# KiCad board Leopold Replacement.kicad_pcb (continued)
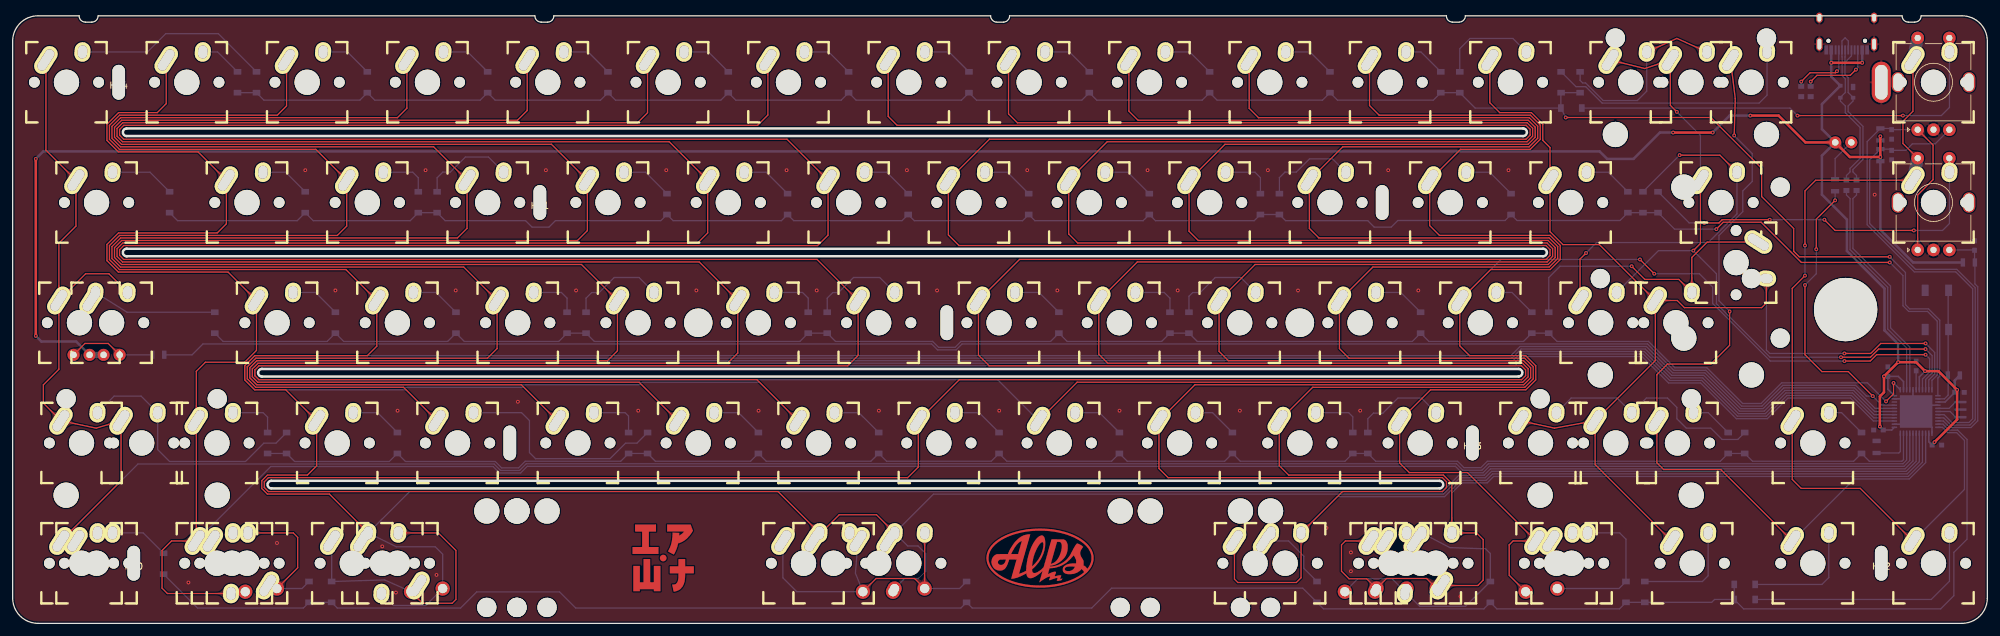
[diagram p0: board, top side]
## Copper pours and planes (outline as drawn; the poured copper is in the pictures) (continued)
Col12 on Top: 240.58,31.61 240.47,31.63 240.38,31.66 240.29,31.69 240.21,31.72 240.13,31.75 240.06,31.79 240,31.82 239.94,31.86 239.89,31.9 239.83,31.94 239.79,31.99 239.74,32.03 239.7,32.08 239.66,32.13 239.35,32.55 239.31,32.61 239.26,32.66 239.21,32.72 239.16,32.78 239.1,32.84 239.03,32.9 238.97,32.96 238.89,33.02 237.51,32.17 238.42,30.82 238.51,30.85 238.6,30.87 238.68,30.9 238.76,30.93 238.83,30.96 238.9,30.99 238.97,31.03 239.03,31.06 239.49,31.32 239.54,31.35 239.6,31.37 239.66,31.39 239.72,31.41 239.78,31.43 239.85,31.45 239.92,31.46 239.99,31.46 240.07,31.47 240.15,31.46 240.24,31.46 240.33,31.45 240.43,31.43 240.54,31.41
Col12 on Top: 247.57,31.49 247.68,31.51 247.78,31.52 247.87,31.53 247.96,31.53 248.04,31.53 248.12,31.52 248.19,31.51 248.26,31.5 248.32,31.48 248.39,31.47 248.45,31.44 248.51,31.42 248.56,31.39 248.62,31.36 249.06,31.09 249.13,31.05 249.19,31.02 249.26,30.98 249.33,30.95 249.41,30.92 249.49,30.89 249.58,30.86 249.67,30.83 250.62,32.15 249.27,33.04 249.19,32.99 249.12,32.93 249.05,32.87 248.99,32.81 248.94,32.76 248.89,32.7 248.84,32.64 248.79,32.59 248.47,32.18 248.43,32.13 248.38,32.08 248.34,32.04 248.29,32 248.24,31.96 248.18,31.92 248.12,31.88 248.06,31.85 247.99,31.82 247.91,31.79 247.83,31.76 247.74,31.73 247.64,31.71 247.54,31.69
Col12 on Top: 242.97,67.57 242.98,67.67 242.98,67.77 242.99,67.86 243.01,67.95 243.02,68.03 243.04,68.11 243.06,68.18 243.09,68.24 243.12,68.3 243.15,68.36 243.18,68.42 243.21,68.47 243.25,68.52 243.29,68.57 243.64,68.96 243.68,69.02 243.73,69.08 243.78,69.14 243.82,69.2 243.87,69.27 243.91,69.35 243.96,69.43 244,69.51 242.88,70.68 241.75,69.51 241.79,69.43 241.84,69.35 241.88,69.27 241.93,69.2 241.97,69.14 242.02,69.08 242.07,69.02 242.11,68.96 242.46,68.57 242.5,68.52 242.54,68.47 242.57,68.42 242.6,68.36 242.63,68.3 242.66,68.24 242.69,68.18 242.71,68.11 242.73,68.03 242.74,67.95 242.76,67.86 242.77,67.77 242.77,67.67 242.78,67.57
Col12 on Top: 257.68,52.74 257.75,52.66 257.82,52.58 257.88,52.51 257.93,52.44 257.97,52.37 258.01,52.31 258.05,52.24 258.08,52.18 258.1,52.11 258.12,52.05 258.14,51.99 258.15,51.93 258.16,51.86 258.17,51.8 258.2,51.28 258.2,51.21 258.21,51.13 258.22,51.06 258.24,50.98 258.25,50.9 258.27,50.81 258.3,50.73 258.33,50.64 259.95,50.6 259.92,52.23 259.83,52.26 259.74,52.28 259.66,52.3 259.58,52.32 259.5,52.33 259.42,52.34 259.35,52.35 259.27,52.36 258.75,52.39 258.69,52.39 258.63,52.4 258.57,52.42 258.5,52.43 258.44,52.45 258.38,52.48 258.31,52.51 258.25,52.54 258.18,52.58 258.11,52.63 258.04,52.68 257.97,52.74 257.9,52.8 257.82,52.88
Col12 on Top: 242.78,72.55 242.77,72.44 242.77,72.34 242.76,72.25 242.74,72.16 242.73,72.08 242.71,72.01 242.69,71.94 242.66,71.87 242.63,71.81 242.6,71.75 242.57,71.69 242.54,71.64 242.5,71.59 242.46,71.54 242.11,71.15 242.07,71.09 242.02,71.04 241.97,70.97 241.93,70.91 241.88,70.84 241.84,70.76 241.79,70.69 241.75,70.6 242.88,69.43 244,70.6 243.96,70.69 243.91,70.76 243.87,70.84 243.82,70.91 243.78,70.97 243.73,71.04 243.68,71.09 243.64,71.15 243.29,71.54 243.25,71.59 243.21,71.64 243.18,71.69 243.15,71.75 243.12,71.81 243.09,71.87 243.06,71.94 243.04,72.01 243.02,72.08 243.01,72.16 242.99,72.25 242.98,72.34 242.98,72.44 242.97,72.55
Col12 on Top: 233.47,86.58 233.47,86.68 233.48,86.78 233.49,86.87 233.5,86.96 233.52,87.04 233.54,87.12 233.56,87.19 233.58,87.25 233.61,87.31 233.64,87.37 233.67,87.43 233.71,87.48 233.74,87.53 233.78,87.58 234.13,87.97 234.18,88.03 234.22,88.09 234.27,88.15 234.32,88.21 234.36,88.28 234.41,88.36 234.45,88.44 234.5,88.52 233.37,89.69 232.25,88.52 232.29,88.44 232.33,88.36 232.38,88.28 232.42,88.21 232.47,88.15 232.52,88.09 232.56,88.03 232.61,87.97 232.96,87.58 233,87.53 233.03,87.48 233.07,87.43 233.1,87.37 233.13,87.31 233.16,87.25 233.18,87.19 233.2,87.12 233.22,87.04 233.24,86.96 233.25,86.87 233.26,86.78 233.27,86.68 233.27,86.58
Col12 on Top: 262,51.15 261.89,51.15 261.79,51.15 261.7,51.16 261.61,51.18 261.53,51.19 261.46,51.21 261.39,51.23 261.32,51.26 261.26,51.29 261.2,51.32 261.15,51.35 261.09,51.38 261.04,51.42 260.99,51.46 260.6,51.81 260.55,51.85 260.49,51.9 260.43,51.95 260.36,51.99 260.29,52.04 260.22,52.08 260.14,52.13 260.05,52.17 258.88,51.05 260.05,49.92 260.14,49.96 260.22,50.01 260.29,50.05 260.36,50.1 260.43,50.14 260.49,50.19 260.55,50.24 260.6,50.28 260.99,50.63 261.04,50.67 261.09,50.71 261.15,50.74 261.2,50.77 261.26,50.8 261.32,50.83 261.39,50.86 261.46,50.88 261.53,50.9 261.61,50.92 261.7,50.93 261.79,50.94 261.89,50.94 262,50.95
Col12 on Top: 277.16,52.02 277.16,52.13 277.17,52.23 277.18,52.32 277.19,52.4 277.21,52.48 277.22,52.56 277.25,52.63 277.27,52.7 277.3,52.76 277.33,52.82 277.36,52.87 277.4,52.93 277.43,52.98 277.47,53.03 277.82,53.42 277.87,53.47 277.91,53.53 277.96,53.59 278.01,53.66 278.05,53.73 278.1,53.8 278.14,53.88 278.18,53.97 277.06,55.14 275.93,53.97 275.98,53.88 276.02,53.8 276.07,53.73 276.11,53.66 276.16,53.59 276.2,53.53 276.25,53.47 276.3,53.42 276.65,53.03 276.68,52.98 276.72,52.93 276.76,52.87 276.79,52.82 276.82,52.76 276.85,52.7 276.87,52.63 276.89,52.56 276.91,52.48 276.93,52.4 276.94,52.32 276.95,52.23 276.96,52.13 276.96,52.02
Col12 on Top: 259.61,48.56 259.61,48.66 259.62,48.76 259.63,48.85 259.64,48.94 259.66,49.02 259.67,49.1 259.7,49.17 259.72,49.23 259.75,49.29 259.78,49.35 259.81,49.41 259.85,49.46 259.88,49.51 259.92,49.56 260.27,49.95 260.32,50.01 260.36,50.07 260.41,50.13 260.46,50.19 260.5,50.26 260.55,50.34 260.59,50.42 260.63,50.5 259.51,51.67 258.38,50.5 258.43,50.42 258.47,50.34 258.52,50.26 258.56,50.19 258.61,50.13 258.65,50.07 258.7,50.01 258.75,49.95 259.1,49.56 259.13,49.51 259.17,49.46 259.21,49.41 259.24,49.35 259.27,49.29 259.3,49.23 259.32,49.17 259.34,49.1 259.36,49.02 259.38,48.94 259.39,48.85 259.4,48.76 259.41,48.66 259.41,48.56
Col12 on Top: 251.69,33.87 251.62,33.79 251.54,33.73 251.47,33.67 251.4,33.62 251.33,33.57 251.27,33.53 251.2,33.5 251.14,33.47 251.07,33.44 251.01,33.42 250.95,33.41 250.89,33.39 250.82,33.38 250.76,33.38 250.24,33.35 250.17,33.34 250.09,33.33 250.02,33.32 249.94,33.31 249.86,33.29 249.77,33.27 249.68,33.25 249.59,33.22 249.56,31.59 251.18,31.63 251.21,31.72 251.24,31.8 251.26,31.89 251.28,31.97 251.29,32.05 251.3,32.12 251.31,32.2 251.32,32.27 251.35,32.79 251.35,32.85 251.36,32.92 251.38,32.98 251.39,33.04 251.41,33.1 251.44,33.17 251.47,33.23 251.5,33.3 251.54,33.36 251.59,33.43 251.64,33.5 251.7,33.57 251.76,33.65 251.84,33.73
Col12 on Top: 250.1,29.55 250.11,29.65 250.11,29.75 250.12,29.84 250.13,29.93 250.15,30.01 250.17,30.09 250.19,30.16 250.22,30.22 250.24,30.28 250.27,30.34 250.31,30.4 250.34,30.45 250.38,30.5 250.42,30.55 250.77,30.94 250.81,31 250.86,31.06 250.9,31.12 250.95,31.18 251,31.25 251.04,31.33 251.09,31.41 251.13,31.49 250,32.66 248.88,31.49 248.92,31.41 248.97,31.33 249.01,31.25 249.06,31.18 249.1,31.12 249.15,31.06 249.2,31 249.24,30.94 249.59,30.55 249.63,30.5 249.67,30.45 249.7,30.4 249.73,30.34 249.76,30.28 249.79,30.22 249.82,30.16 249.84,30.09 249.86,30.01 249.87,29.93 249.89,29.84 249.9,29.75 249.9,29.65 249.9,29.55
Col12 on Top: 260.25,14.72 260.33,14.64 260.39,14.56 260.45,14.49 260.5,14.42 260.55,14.35 260.59,14.29 260.62,14.22 260.65,14.16 260.68,14.09 260.7,14.03 260.71,13.97 260.73,13.91 260.74,13.84 260.74,13.78 260.77,13.26 260.78,13.19 260.79,13.11 260.8,13.04 260.81,12.96 260.83,12.88 260.85,12.79 260.87,12.71 260.9,12.62 262.53,12.58 262.5,14.21 262.4,14.24 262.32,14.26 262.23,14.28 262.15,14.3 262.07,14.31 262,14.32 261.92,14.33 261.85,14.34 261.33,14.37 261.27,14.37 261.2,14.38 261.14,14.4 261.08,14.41 261.02,14.43 260.95,14.46 260.89,14.49 260.82,14.52 260.76,14.56 260.69,14.61 260.62,14.66 260.55,14.72 260.47,14.78 260.4,14.86
Col12 on Bottom: 277.16,52.02 277.16,52.13 277.17,52.23 277.18,52.32 277.19,52.4 277.21,52.48 277.22,52.56 277.25,52.63 277.27,52.7 277.3,52.76 277.33,52.82 277.36,52.87 277.4,52.93 277.43,52.98 277.47,53.03 277.82,53.42 277.87,53.47 277.91,53.53 277.96,53.59 278.01,53.66 278.05,53.73 278.1,53.8 278.14,53.88 278.18,53.97 277.06,55.14 275.93,53.97 275.98,53.88 276.02,53.8 276.07,53.73 276.11,53.66 276.16,53.59 276.2,53.53 276.25,53.47 276.3,53.42 276.65,53.03 276.68,52.98 276.72,52.93 276.76,52.87 276.79,52.82 276.82,52.76 276.85,52.7 276.87,52.63 276.89,52.56 276.91,52.48 276.93,52.4 276.94,52.32 276.95,52.23 276.96,52.13 276.96,52.02
Col13 on Top: 254.82,88.57 254.72,88.59 254.62,88.62 254.54,88.65 254.46,88.69 254.38,88.72 254.31,88.76 254.25,88.8 254.19,88.84 254.14,88.88 254.09,88.92 254.04,88.97 254,89.01 253.96,89.06 253.92,89.11 253.62,89.54 253.58,89.6 253.54,89.66 253.49,89.72 253.44,89.78 253.38,89.84 253.32,89.9 253.25,89.96 253.18,90.03 251.77,89.21 252.64,87.84 252.73,87.86 252.82,87.89 252.9,87.91 252.98,87.94 253.06,87.97 253.13,88 253.19,88.03 253.26,88.06 253.72,88.31 253.78,88.33 253.84,88.36 253.9,88.38 253.96,88.4 254.02,88.41 254.09,88.42 254.16,88.43 254.23,88.44 254.31,88.44 254.39,88.44 254.48,88.43 254.57,88.41 254.67,88.4 254.77,88.37
Col13 on Top: 259.56,88.18 259.66,88.21 259.75,88.24 259.84,88.26 259.93,88.27 260.01,88.28 260.09,88.29 260.16,88.29 260.23,88.29 260.3,88.28 260.37,88.27 260.43,88.26 260.49,88.24 260.55,88.22 260.61,88.2 261.09,88 261.16,87.97 261.23,87.94 261.3,87.92 261.38,87.9 261.46,87.88 261.54,87.86 261.63,87.84 261.73,87.83 262.48,89.26 261.01,89.96 260.94,89.89 260.88,89.82 260.83,89.76 260.77,89.69 260.73,89.63 260.68,89.56 260.64,89.5 260.61,89.44 260.35,88.99 260.31,88.93 260.28,88.88 260.24,88.83 260.19,88.78 260.15,88.74 260.1,88.69 260.04,88.65 259.98,88.6 259.92,88.56 259.85,88.52 259.77,88.48 259.68,88.44 259.59,88.41 259.49,88.37
Col13 on Top: 261.99,86.58 261.99,86.68 261.99,86.78 262,86.87 262.02,86.96 262.03,87.04 262.05,87.12 262.07,87.19 262.1,87.25 262.13,87.31 262.16,87.37 262.19,87.43 262.22,87.48 262.26,87.53 262.3,87.58 262.65,87.97 262.69,88.03 262.74,88.09 262.79,88.15 262.83,88.21 262.88,88.28 262.92,88.36 262.97,88.44 263.01,88.52 261.88,89.69 260.76,88.52 260.8,88.44 260.85,88.36 260.89,88.28 260.94,88.21 260.98,88.15 261.03,88.09 261.08,88.03 261.12,87.97 261.47,87.58 261.51,87.53 261.55,87.48 261.58,87.43 261.61,87.37 261.64,87.31 261.67,87.25 261.7,87.19 261.72,87.12 261.74,87.04 261.75,86.96 261.77,86.87 261.78,86.78 261.78,86.68 261.79,86.58
Col13 on Top: 266.74,67.57 266.74,67.67 266.74,67.77 266.75,67.86 266.77,67.95 266.78,68.03 266.8,68.11 266.82,68.18 266.85,68.24 266.88,68.3 266.91,68.36 266.94,68.42 266.97,68.47 267.01,68.52 267.05,68.57 267.4,68.96 267.44,69.02 267.49,69.08 267.54,69.14 267.58,69.2 267.63,69.27 267.67,69.35 267.72,69.43 267.76,69.51 266.64,70.68 265.51,69.51 265.56,69.43 265.6,69.35 265.64,69.27 265.69,69.2 265.74,69.14 265.78,69.08 265.83,69.02 265.88,68.96 266.22,68.57 266.26,68.52 266.3,68.47 266.33,68.42 266.37,68.36 266.4,68.3 266.42,68.24 266.45,68.18 266.47,68.11 266.49,68.03 266.51,67.95 266.52,67.86 266.53,67.77 266.54,67.67 266.54,67.57
Col13 on Bottom: 266.54,72.55 266.54,72.44 266.53,72.34 266.52,72.25 266.51,72.16 266.49,72.08 266.47,72.01 266.45,71.94 266.42,71.87 266.4,71.81 266.37,71.75 266.33,71.69 266.3,71.64 266.26,71.59 266.22,71.54 265.88,71.15 265.83,71.09 265.78,71.04 265.74,70.97 265.69,70.91 265.64,70.84 265.6,70.76 265.56,70.69 265.51,70.6 266.64,69.43 267.76,70.6 267.72,70.69 267.67,70.76 267.63,70.84 267.58,70.91 267.54,70.97 267.49,71.04 267.44,71.09 267.4,71.15 267.05,71.54 267.01,71.59 266.97,71.64 266.94,71.69 266.91,71.75 266.88,71.81 266.85,71.87 266.82,71.94 266.8,72.01 266.78,72.08 266.77,72.16 266.75,72.25 266.74,72.34 266.74,72.44 266.74,72.55
Col13 on Bottom: 255.09,54.15 255.02,54.07 254.94,54.01 254.87,53.95 254.8,53.9 254.73,53.85 254.66,53.81 254.6,53.78 254.53,53.75 254.47,53.72 254.41,53.7 254.35,53.69 254.28,53.67 254.22,53.66 254.16,53.66 253.64,53.63 253.56,53.62 253.49,53.61 253.41,53.6 253.34,53.59 253.25,53.57 253.17,53.55 253.08,53.53 252.99,53.5 252.96,51.87 254.58,51.91 254.61,52 254.64,52.08 254.66,52.17 254.68,52.25 254.69,52.33 254.7,52.4 254.71,52.48 254.71,52.55 254.74,53.07 254.75,53.13 254.76,53.2 254.77,53.26 254.79,53.32 254.81,53.38 254.84,53.45 254.86,53.51 254.9,53.58 254.94,53.64 254.98,53.71 255.03,53.78 255.09,53.85 255.16,53.93 255.23,54.01
Col14 on Top: 271.79,86.61 271.78,86.71 271.78,86.81 271.77,86.9 271.78,86.99 271.78,87.07 271.79,87.15 271.81,87.22 271.82,87.29 271.84,87.36 271.87,87.42 271.89,87.48 271.92,87.53 271.95,87.59 271.98,87.64 272.28,88.07 272.32,88.13 272.36,88.2 272.4,88.26 272.43,88.33 272.47,88.41 272.51,88.49 272.54,88.57 272.57,88.66 271.31,89.69 270.34,88.39 270.39,88.31 270.45,88.23 270.5,88.17 270.55,88.1 270.61,88.04 270.66,87.99 270.72,87.94 270.77,87.89 271.16,87.54 271.21,87.5 271.25,87.45 271.29,87.4 271.33,87.35 271.37,87.3 271.4,87.24 271.43,87.18 271.46,87.11 271.49,87.04 271.52,86.96 271.54,86.88 271.56,86.78 271.58,86.69 271.6,86.58
Col14 on Top: 259.66,34.53 259.66,34.42 259.65,34.32 259.64,34.23 259.63,34.14 259.61,34.06 259.59,33.99 259.57,33.92 259.55,33.85 259.52,33.79 259.49,33.73 259.46,33.67 259.42,33.62 259.38,33.57 259.35,33.52 259,33.13 258.95,33.07 258.9,33.02 258.86,32.95 258.81,32.89 258.77,32.82 258.72,32.74 258.68,32.67 258.63,32.58 259.76,31.41 260.88,32.58 260.84,32.67 260.8,32.74 260.75,32.82 260.71,32.89 260.66,32.95 260.61,33.02 260.57,33.07 260.52,33.13 260.17,33.52 260.13,33.57 260.1,33.62 260.06,33.67 260.03,33.73 260,33.79 259.97,33.85 259.95,33.92 259.92,33.99 259.91,34.06 259.89,34.14 259.88,34.23 259.87,34.32 259.86,34.42 259.86,34.53
Col14 on Top: 279.31,14.72 279.39,14.64 279.45,14.56 279.51,14.49 279.56,14.42 279.61,14.35 279.65,14.29 279.68,14.22 279.71,14.16 279.74,14.09 279.76,14.03 279.77,13.97 279.79,13.91 279.8,13.84 279.8,13.78 279.83,13.26 279.84,13.19 279.85,13.11 279.86,13.04 279.87,12.96 279.89,12.88 279.91,12.79 279.93,12.71 279.96,12.62 281.59,12.58 281.56,14.21 281.46,14.24 281.38,14.26 281.29,14.28 281.21,14.3 281.13,14.31 281.06,14.32 280.98,14.33 280.91,14.34 280.39,14.37 280.33,14.37 280.26,14.38 280.2,14.4 280.14,14.41 280.08,14.43 280.01,14.46 279.95,14.49 279.88,14.52 279.82,14.56 279.75,14.61 279.68,14.66 279.61,14.72 279.53,14.78 279.46,14.86
Col14 on Top: 259.86,29.55 259.86,29.65 259.87,29.75 259.88,29.84 259.89,29.93 259.91,30.01 259.92,30.09 259.95,30.16 259.97,30.22 260,30.28 260.03,30.34 260.06,30.4 260.1,30.45 260.13,30.5 260.17,30.55 260.52,30.94 260.57,31 260.61,31.06 260.66,31.12 260.71,31.18 260.75,31.25 260.8,31.33 260.84,31.41 260.88,31.49 259.76,32.66 258.63,31.49 258.68,31.41 258.72,31.33 258.77,31.25 258.81,31.18 258.86,31.12 258.9,31.06 258.95,31 259,30.94 259.35,30.55 259.38,30.5 259.42,30.45 259.46,30.4 259.49,30.34 259.52,30.28 259.55,30.22 259.57,30.16 259.59,30.09 259.61,30.01 259.63,29.93 259.64,29.84 259.65,29.75 259.66,29.65 259.66,29.55
Col14 on Bottom: 282.83,14.86 282.76,14.78 282.68,14.72 282.61,14.66 282.54,14.61 282.47,14.56 282.41,14.52 282.34,14.49 282.28,14.46 282.21,14.43 282.15,14.41 282.09,14.4 282.03,14.38 281.96,14.37 281.9,14.37 281.38,14.34 281.31,14.33 281.23,14.32 281.16,14.31 281.08,14.3 281,14.28 280.91,14.26 280.83,14.24 280.73,14.21 280.7,12.58 282.33,12.62 282.36,12.71 282.38,12.79 282.4,12.88 282.42,12.96 282.43,13.04 282.44,13.11 282.45,13.19 282.46,13.26 282.49,13.78 282.49,13.84 282.5,13.91 282.52,13.97 282.53,14.03 282.55,14.09 282.58,14.16 282.61,14.22 282.64,14.29 282.68,14.35 282.73,14.42 282.78,14.49 282.84,14.56 282.9,14.64 282.98,14.72
Col15 on Top: 297.71,69.96 297.82,69.95 297.92,69.95 298.01,69.94 298.1,69.93 298.18,69.91 298.25,69.89 298.33,69.87 298.39,69.84 298.45,69.81 298.51,69.78 298.57,69.75 298.62,69.72 298.67,69.68 298.72,69.64 299.11,69.29 299.17,69.25 299.22,69.2 299.29,69.15 299.35,69.11 299.42,69.06 299.5,69.02 299.57,68.97 299.66,68.93 300.83,70.06 299.66,71.18 299.57,71.14 299.5,71.09 299.42,71.05 299.35,71 299.29,70.96 299.22,70.91 299.17,70.86 299.11,70.82 298.72,70.47 298.67,70.43 298.62,70.39 298.57,70.36 298.51,70.33 298.45,70.3 298.39,70.27 298.33,70.24 298.25,70.22 298.18,70.2 298.1,70.19 298.01,70.17 297.92,70.16 297.82,70.16 297.71,70.16
Col15 on Top: 281.05,34.53 281.04,34.42 281.04,34.32 281.03,34.23 281.01,34.14 281,34.06 280.98,33.99 280.96,33.92 280.93,33.85 280.9,33.79 280.87,33.73 280.84,33.67 280.81,33.62 280.77,33.57 280.73,33.52 280.38,33.13 280.34,33.07 280.29,33.02 280.24,32.95 280.2,32.89 280.15,32.82 280.11,32.74 280.06,32.67 280.02,32.58 281.14,31.41 282.27,32.58 282.23,32.67 282.18,32.74 282.14,32.82 282.09,32.89 282.05,32.95 282,33.02 281.95,33.07 281.91,33.13 281.56,33.52 281.52,33.57 281.48,33.62 281.45,33.67 281.42,33.73 281.39,33.79 281.36,33.85 281.33,33.92 281.31,33.99 281.29,34.06 281.28,34.14 281.26,34.23 281.25,34.32 281.25,34.42 281.25,34.53
Col15 on Top: 300.31,86.58 300.31,86.68 300.31,86.78 300.32,86.87 300.34,86.96 300.35,87.04 300.37,87.12 300.39,87.19 300.42,87.25 300.45,87.31 300.48,87.37 300.51,87.43 300.54,87.48 300.58,87.53 300.62,87.58 300.97,87.97 301.01,88.03 301.06,88.09 301.11,88.15 301.15,88.21 301.2,88.28 301.24,88.36 301.29,88.44 301.33,88.52 300.2,89.69 299.08,88.52 299.12,88.44 299.17,88.36 299.21,88.28 299.26,88.21 299.3,88.15 299.35,88.09 299.4,88.03 299.44,87.97 299.79,87.58 299.83,87.53 299.87,87.48 299.9,87.43 299.93,87.37 299.96,87.31 299.99,87.25 300.02,87.19 300.04,87.12 300.06,87.04 300.07,86.96 300.09,86.87 300.1,86.78 300.1,86.68 300.11,86.58
Col15 on Top: 299.48,74.87 299.54,74.81 299.59,74.75 299.64,74.69 299.68,74.64 299.72,74.58 299.75,74.53 299.78,74.48 299.8,74.43 299.82,74.38 299.84,74.33 299.85,74.28 299.86,74.23 299.93,73.54 299.94,73.48 299.96,73.42 299.97,73.35 299.99,73.28 300.02,73.21 301.31,73.18 301.29,74.48 301.22,74.5 301.15,74.52 301.08,74.54 301.02,74.55 300.95,74.57 300.27,74.63 300.22,74.64 300.17,74.66 300.12,74.67 300.07,74.69 300.02,74.72 299.96,74.74 299.91,74.78 299.86,74.81 299.8,74.85 299.74,74.9 299.68,74.95 299.62,75.01
Col15 on Top: 298.37,14.72 298.45,14.64 298.51,14.56 298.57,14.49 298.62,14.42 298.67,14.35 298.71,14.29 298.74,14.22 298.77,14.16 298.8,14.09 298.82,14.03 298.83,13.97 298.85,13.91 298.86,13.84 298.86,13.78 298.89,13.26 298.9,13.19 298.91,13.11 298.92,13.04 298.93,12.96 298.95,12.88 298.97,12.79 298.99,12.71 299.02,12.62 300.65,12.58 300.62,14.21 300.52,14.24 300.44,14.26 300.35,14.28 300.27,14.3 300.19,14.31 300.12,14.32 300.04,14.33 299.97,14.34 299.45,14.37 299.39,14.37 299.32,14.38 299.26,14.4 299.2,14.41 299.14,14.43 299.07,14.46 299.01,14.49 298.94,14.52 298.88,14.56 298.81,14.61 298.74,14.66 298.67,14.72 298.59,14.78 298.52,14.86
Col15 on Top: 281.25,29.55 281.25,29.65 281.25,29.75 281.26,29.84 281.28,29.93 281.29,30.01 281.31,30.09 281.33,30.16 281.36,30.22 281.39,30.28 281.42,30.34 281.45,30.4 281.48,30.45 281.52,30.5 281.56,30.55 281.91,30.94 281.95,31 282,31.06 282.05,31.12 282.09,31.18 282.14,31.25 282.18,31.33 282.23,31.41 282.27,31.49 281.14,32.66 280.02,31.49 280.06,31.41 280.11,31.33 280.15,31.25 280.2,31.18 280.24,31.12 280.29,31.06 280.34,31 280.38,30.94 280.73,30.55 280.77,30.5 280.81,30.45 280.84,30.4 280.87,30.34 280.9,30.28 280.93,30.22 280.96,30.16 280.98,30.09 281,30.01 281.01,29.93 281.03,29.84 281.04,29.75 281.04,29.65 281.05,29.55
Col15 on Bottom: 299.76,72.7 299.22,70.83 300.07,69.44 301.42,70.35 301.71,72.28
Col15 on Bottom: 299.76,91.71 299.22,89.84 300.07,88.45 301.42,89.36 301.71,91.29
Col15 on Bottom: 301.89,14.86 301.82,14.78 301.74,14.72 301.67,14.66 301.6,14.61 301.53,14.56 301.47,14.52 301.4,14.49 301.34,14.46 301.27,14.43 301.21,14.41 301.15,14.4 301.09,14.38 301.02,14.37 300.96,14.37 300.44,14.34 300.37,14.33 300.29,14.32 300.22,14.31 300.14,14.3 300.06,14.28 299.97,14.26 299.89,14.24 299.79,14.21 299.76,12.58 301.39,12.62 301.42,12.71 301.44,12.79 301.46,12.88 301.48,12.96 301.49,13.04 301.5,13.11 301.51,13.19 301.52,13.26 301.55,13.78 301.55,13.84 301.56,13.91 301.58,13.97 301.59,14.03 301.61,14.09 301.64,14.16 301.67,14.22 301.7,14.29 301.74,14.35 301.79,14.42 301.84,14.49 301.9,14.56 301.96,14.64 302.04,14.72
EC_A on Top: 300.86,61.03 300.86,60.94 300.85,60.86 300.85,60.79 300.84,60.72 300.82,60.66 300.81,60.6 300.79,60.54 300.77,60.49 300.75,60.44 300.73,60.39 300.7,60.34 300.68,60.3 300.24,59.77 300.2,59.72 300.16,59.66 300.13,59.6 300.09,59.54 300.06,59.47 300.96,58.54 301.86,59.47 301.83,59.54 301.79,59.6 301.76,59.66 301.72,59.72 301.68,59.77 301.24,60.3 301.22,60.34 301.19,60.39 301.17,60.44 301.15,60.49 301.13,60.54 301.11,60.6 301.1,60.66 301.08,60.72 301.07,60.79 301.07,60.86 301.06,60.94 301.06,61.03
EC_A on Top: 302.44,76.71 302.38,76.77 302.33,76.83 302.28,76.89 302.24,76.94 302.2,77 302.17,77.05 302.14,77.1 302.12,77.15 302.1,77.2 302.08,77.25 302.07,77.3 302.06,77.35 301.99,78.04 301.98,78.1 301.96,78.17 301.95,78.23 301.93,78.3 301.9,78.37 300.61,78.4 300.63,77.1 300.7,77.08 300.77,77.06 300.84,77.04 300.9,77.03 300.97,77.02 301.65,76.95 301.7,76.94 301.75,76.92 301.8,76.91 301.85,76.89 301.9,76.86 301.96,76.84 302.01,76.8 302.06,76.77 302.12,76.73 302.18,76.68 302.24,76.63 302.3,76.57
EC_A on Bottom: 298.97,77.95 299.05,77.94 299.13,77.94 299.21,77.93 299.28,77.92 299.34,77.91 299.4,77.89 299.46,77.88 299.51,77.86 299.56,77.84 299.61,77.81 299.65,77.79 299.69,77.76 300.23,77.32 300.28,77.29 300.33,77.25 300.39,77.21 300.46,77.18 300.52,77.15 301.46,78.05 300.52,78.95 300.46,78.91 300.39,78.88 300.33,78.84 300.28,78.8 300.23,78.77 299.69,78.33 299.65,78.3 299.61,78.28 299.56,78.25 299.51,78.23 299.46,78.21 299.4,78.2 299.34,78.18 299.28,78.17 299.21,78.16 299.13,78.15 299.05,78.15 298.97,78.15
EC_B on Bottom: 304.62,76.57 304.68,76.63 304.74,76.68 304.8,76.73 304.86,76.77 304.91,76.8 304.96,76.84 305.02,76.86 305.07,76.89 305.12,76.91 305.17,76.92 305.22,76.94 305.27,76.95 305.95,77.02 306.02,77.03 306.08,77.04 306.15,77.06 306.22,77.08 306.29,77.1 306.31,78.4 305.02,78.37 304.99,78.3 304.97,78.23 304.96,78.17 304.94,78.1 304.93,78.04 304.86,77.35 304.85,77.3 304.84,77.25 304.82,77.2 304.8,77.15 304.78,77.1 304.75,77.05 304.72,77 304.68,76.94 304.64,76.89 304.59,76.83 304.54,76.77 304.48,76.71
EC_C on Bottom: 307.95,59.14 307.87,59.14 307.79,59.14 307.71,59.15 307.64,59.16 307.58,59.17 307.52,59.19 307.46,59.2 307.41,59.22 307.36,59.24 307.31,59.27 307.27,59.29 307.23,59.32 306.69,59.76 306.64,59.79 306.59,59.83 306.53,59.87 306.46,59.9 306.4,59.94 305.46,59.04 306.4,58.14 306.46,58.17 306.53,58.2 306.59,58.24 306.64,58.28 306.69,58.31 307.23,58.75 307.27,58.78 307.31,58.8 307.36,58.83 307.41,58.85 307.46,58.87 307.52,58.88 307.58,58.9 307.64,58.91 307.71,58.92 307.79,58.93 307.87,58.93 307.95,58.94
RST on Bottom: 305.88,51.55 306.31,52.35 305.89,52.92 305.33,52.48 305.68,51.55
Net-(D1-Pad2) on Bottom: 13.52,90.44 13.41,90.44 13.31,90.44 13.22,90.45 13.13,90.47 13.05,90.48 12.98,90.5 12.9,90.52 12.84,90.55 12.78,90.58 12.72,90.61 12.66,90.64 12.61,90.67 12.56,90.71 12.51,90.75 12.12,91.1 12.06,91.14 12.01,91.19 11.94,91.24 11.88,91.28 11.81,91.33 11.73,91.37 11.66,91.42 11.57,91.46 10.4,90.34 11.57,89.21 11.66,89.25 11.73,89.3 11.81,89.34 11.88,89.39 11.94,89.43 12.01,89.48 12.06,89.53 12.12,89.57 12.51,89.92 12.56,89.96 12.61,90 12.66,90.03 12.72,90.06 12.78,90.09 12.84,90.12 12.9,90.15 12.98,90.17 13.05,90.19 13.13,90.21 13.22,90.22 13.31,90.23 13.41,90.23 13.52,90.24
Net-(D2-Pad2) on Bottom: 18.27,71.43 18.16,71.43 18.06,71.43 17.97,71.44 17.88,71.46 17.8,71.47 17.73,71.49 17.66,71.51 17.59,71.54 17.53,71.57 17.47,71.6 17.41,71.63 17.36,71.66 17.31,71.7 17.26,71.74 16.87,72.09 16.82,72.13 16.76,72.18 16.7,72.23 16.63,72.27 16.56,72.32 16.49,72.36 16.41,72.41 16.32,72.45 15.15,71.33 16.32,70.2 16.41,70.24 16.49,70.29 16.56,70.33 16.63,70.38 16.7,70.42 16.76,70.47 16.82,70.52 16.87,70.56 17.26,70.91 17.31,70.95 17.36,70.99 17.41,71.02 17.47,71.05 17.53,71.08 17.59,71.11 17.66,71.14 17.73,71.16 17.8,71.18 17.88,71.2 17.97,71.21 18.06,71.22 18.16,71.22 18.27,71.23
Net-(D3-Pad2) on Bottom: 15.24,51.08 15.15,51.14 15.07,51.19 14.99,51.25 14.93,51.31 14.87,51.36 14.81,51.42 14.77,51.48 14.72,51.53 14.69,51.59 14.65,51.65 14.62,51.7 14.6,51.76 14.57,51.82 14.55,51.88 14.4,52.38 14.38,52.45 14.36,52.52 14.33,52.59 14.3,52.67 14.26,52.74 14.23,52.82 14.18,52.9 14.13,52.98 12.54,52.65 12.94,51.07 13.03,51.06 13.12,51.06 13.21,51.06 13.29,51.06 13.37,51.06 13.45,51.07 13.53,51.08 13.6,51.09 14.11,51.18 14.17,51.18 14.24,51.19 14.3,51.19 14.37,51.19 14.43,51.18 14.5,51.17 14.57,51.16 14.64,51.14 14.71,51.12 14.79,51.09 14.87,51.05 14.95,51.01 15.04,50.96 15.13,50.91
